# Allegro board LED_FIN.brd (continued)
## Placement (name value [footprint] x y rotation side) (continued)
D10226  0603_LED  [0603_SINGLE]  87.25 168 0 top
D10227  0603_LED  [0603_SINGLE]  89.25 168 0 top
D10228  0603_LED  [0603_SINGLE]  91.25 168 0 top
D10229  0603_LED  [0603_SINGLE]  93.25 168 0 top
D10230  0603_LED  [0603_SINGLE]  95.25 168 0 top
D10231  0603_LED  [0603_SINGLE]  37.25 166 0 top
D10232  0603_LED  [0603_SINGLE]  39.25 166 0 top
D10233  0603_LED  [0603_SINGLE]  41.25 166 0 top
D10234  0603_LED  [0603_SINGLE]  43.25 166 0 top
D10235  0603_LED  [0603_SINGLE]  45.25 166 0 top
D10236  0603_LED  [0603_SINGLE]  47.25 166 0 top
D10237  0603_LED  [0603_SINGLE]  49.25 166 0 top
D10238  0603_LED  [0603_SINGLE]  51.25 166 0 top
D10239  0603_LED  [0603_SINGLE]  53.25 166 0 top
D10240  0603_LED  [0603_SINGLE]  55.25 166 0 top
D10241  0603_LED  [0603_SINGLE]  57.25 166 0 top
D10242  0603_LED  [0603_SINGLE]  59.25 166 0 top
D10243  0603_LED  [0603_SINGLE]  61.25 166 0 top
D10244  0603_LED  [0603_SINGLE]  63.25 166 0 top
D10245  0603_LED  [0603_SINGLE]  65.25 166 0 top
D10246  0603_LED  [0603_SINGLE]  67.25 166 0 top
D10247  0603_LED  [0603_SINGLE]  69.25 166 0 top
D10248  0603_LED  [0603_SINGLE]  71.25 166 0 top
D10249  0603_LED  [0603_SINGLE]  73.25 166 0 top
D10250  0603_LED  [0603_SINGLE]  75.25 166 0 top
D10251  0603_LED  [0603_SINGLE]  77.25 166 0 top
D10252  0603_LED  [0603_SINGLE]  79.25 166 0 top
D10253  0603_LED  [0603_SINGLE]  81.25 166 0 top
D10254  0603_LED  [0603_SINGLE]  83.25 166 0 top
D10255  0603_LED  [0603_SINGLE]  85.25 166 0 top
D10256  0603_LED  [0603_SINGLE]  87.25 166 0 top
D10257  0603_LED  [0603_SINGLE]  89.25 166 0 top
D10258  0603_LED  [0603_SINGLE]  91.25 166 0 top
D10259  0603_LED  [0603_SINGLE]  93.25 166 0 top
D10260  0603_LED  [0603_SINGLE]  95.25 166 0 top
D10261  0603_LED  [0603_SINGLE]  97.25 240 0 top
D10262  0603_LED  [0603_SINGLE]  99.25 240 0 top
D10263  0603_LED  [0603_SINGLE]  101.25 240 0 top
D10264  0603_LED  [0603_SINGLE]  103.25 240 0 top
D10265  0603_LED  [0603_SINGLE]  105.25 240 0 top
D10266  0603_LED  [0603_SINGLE]  107.25 240 0 top
D10267  0603_LED  [0603_SINGLE]  109.25 240 0 top
D10268  0603_LED  [0603_SINGLE]  111.25 240 0 top
D10269  0603_LED  [0603_SINGLE]  113.25 240 0 top
D10270  0603_LED  [0603_SINGLE]  115.25 240 0 top
D10271  0603_LED  [0603_SINGLE]  117.25 240 0 top
D10272  0603_LED  [0603_SINGLE]  119.25 240 0 top
D10273  0603_LED  [0603_SINGLE]  121.25 240 0 top
D10274  0603_LED  [0603_SINGLE]  123.25 240 0 top
D10275  0603_LED  [0603_SINGLE]  125.25 240 0 top
D10276  0603_LED  [0603_SINGLE]  127.25 240 0 top
D10277  0603_LED  [0603_SINGLE]  129.25 240 0 top
D10278  0603_LED  [0603_SINGLE]  131.25 240 0 top
D10279  0603_LED  [0603_SINGLE]  133.25 240 0 top
D10280  0603_LED  [0603_SINGLE]  135.25 240 0 top
D10281  0603_LED  [0603_SINGLE]  137.25 240 0 top
D10282  0603_LED  [0603_SINGLE]  139.25 240 0 top
D10283  0603_LED  [0603_SINGLE]  141.25 240 0 top
D10284  0603_LED  [0603_SINGLE]  143.25 240 0 top
D10285  0603_LED  [0603_SINGLE]  145.25 240 0 top
D10286  0603_LED  [0603_SINGLE]  147.25 240 0 top
D10287  0603_LED  [0603_SINGLE]  149.25 240 0 top
D10288  0603_LED  [0603_SINGLE]  151.25 240 0 top
D10289  0603_LED  [0603_SINGLE]  153.25 240 0 top
D10290  0603_LED  [0603_SINGLE]  155.25 240 0 top
D10291  0603_LED  [0603_SINGLE]  97.25 238 0 top
D10292  0603_LED  [0603_SINGLE]  99.25 238 0 top
D10293  0603_LED  [0603_SINGLE]  101.25 238 0 top
D10294  0603_LED  [0603_SINGLE]  103.25 238 0 top
D10295  0603_LED  [0603_SINGLE]  105.25 238 0 top
D10296  0603_LED  [0603_SINGLE]  107.25 238 0 top
D10297  0603_LED  [0603_SINGLE]  109.25 238 0 top
D10298  0603_LED  [0603_SINGLE]  111.25 238 0 top
D10299  0603_LED  [0603_SINGLE]  113.25 238 0 top
D10300  0603_LED  [0603_SINGLE]  115.25 238 0 top
D10301  0603_LED  [0603_SINGLE]  117.25 238 0 top
D10302  0603_LED  [0603_SINGLE]  119.25 238 0 top
D10303  0603_LED  [0603_SINGLE]  121.25 238 0 top
D10304  0603_LED  [0603_SINGLE]  123.25 238 0 top
D10305  0603_LED  [0603_SINGLE]  125.25 238 0 top
D10306  0603_LED  [0603_SINGLE]  127.25 238 0 top
D10307  0603_LED  [0603_SINGLE]  129.25 238 0 top
D10308  0603_LED  [0603_SINGLE]  131.25 238 0 top
D10309  0603_LED  [0603_SINGLE]  133.25 238 0 top
D10310  0603_LED  [0603_SINGLE]  135.25 238 0 top
D10311  0603_LED  [0603_SINGLE]  137.25 238 0 top
D10312  0603_LED  [0603_SINGLE]  139.25 238 0 top
D10313  0603_LED  [0603_SINGLE]  141.25 238 0 top
D10314  0603_LED  [0603_SINGLE]  143.25 238 0 top
D10315  0603_LED  [0603_SINGLE]  145.25 238 0 top
D10316  0603_LED  [0603_SINGLE]  147.25 238 0 top
D10317  0603_LED  [0603_SINGLE]  149.25 238 0 top
D10318  0603_LED  [0603_SINGLE]  151.25 238 0 top
D10319  0603_LED  [0603_SINGLE]  153.25 238 0 top
D10320  0603_LED  [0603_SINGLE]  155.25 238 0 top
D10321  0603_LED  [0603_SINGLE]  97.25 236 0 top
D10322  0603_LED  [0603_SINGLE]  99.25 236 0 top
D10323  0603_LED  [0603_SINGLE]  101.25 236 0 top
D10324  0603_LED  [0603_SINGLE]  103.25 236 0 top
D10325  0603_LED  [0603_SINGLE]  105.25 236 0 top
D10326  0603_LED  [0603_SINGLE]  107.25 236 0 top
D10327  0603_LED  [0603_SINGLE]  109.25 236 0 top
D10328  0603_LED  [0603_SINGLE]  111.25 236 0 top
D10329  0603_LED  [0603_SINGLE]  113.25 236 0 top
D10330  0603_LED  [0603_SINGLE]  115.25 236 0 top
D10331  0603_LED  [0603_SINGLE]  117.25 236 0 top
D10332  0603_LED  [0603_SINGLE]  119.25 236 0 top
D10333  0603_LED  [0603_SINGLE]  121.25 236 0 top
D10334  0603_LED  [0603_SINGLE]  123.25 236 0 top
D10335  0603_LED  [0603_SINGLE]  125.25 236 0 top
D10336  0603_LED  [0603_SINGLE]  127.25 236 0 top
D10337  0603_LED  [0603_SINGLE]  129.25 236 0 top
D10338  0603_LED  [0603_SINGLE]  131.25 236 0 top
D10339  0603_LED  [0603_SINGLE]  133.25 236 0 top
D10340  0603_LED  [0603_SINGLE]  135.25 236 0 top
D10341  0603_LED  [0603_SINGLE]  137.25 236 0 top
D10342  0603_LED  [0603_SINGLE]  139.25 236 0 top
D10343  0603_LED  [0603_SINGLE]  141.25 236 0 top
D10344  0603_LED  [0603_SINGLE]  143.25 236 0 top
D10345  0603_LED  [0603_SINGLE]  145.25 236 0 top
D10346  0603_LED  [0603_SINGLE]  147.25 236 0 top
D10347  0603_LED  [0603_SINGLE]  149.25 236 0 top
D10348  0603_LED  [0603_SINGLE]  151.25 236 0 top
D10349  0603_LED  [0603_SINGLE]  153.25 236 0 top
D10350  0603_LED  [0603_SINGLE]  155.25 236 0 top
D10351  0603_LED  [0603_SINGLE]  97.25 234 0 top
D10352  0603_LED  [0603_SINGLE]  99.25 234 0 top
D10353  0603_LED  [0603_SINGLE]  101.25 234 0 top
D10354  0603_LED  [0603_SINGLE]  103.25 234 0 top
D10355  0603_LED  [0603_SINGLE]  105.25 234 0 top
D10356  0603_LED  [0603_SINGLE]  107.25 234 0 top
D10357  0603_LED  [0603_SINGLE]  109.25 234 0 top
D10358  0603_LED  [0603_SINGLE]  111.25 234 0 top
D10359  0603_LED  [0603_SINGLE]  113.25 234 0 top
D10360  0603_LED  [0603_SINGLE]  115.25 234 0 top
D10361  0603_LED  [0603_SINGLE]  117.25 234 0 top
D10362  0603_LED  [0603_SINGLE]  119.25 234 0 top
D10363  0603_LED  [0603_SINGLE]  121.25 234 0 top
D10364  0603_LED  [0603_SINGLE]  123.25 234 0 top
D10365  0603_LED  [0603_SINGLE]  125.25 234 0 top
D10366  0603_LED  [0603_SINGLE]  127.25 234 0 top
D10367  0603_LED  [0603_SINGLE]  129.25 234 0 top
D10368  0603_LED  [0603_SINGLE]  131.25 234 0 top
D10369  0603_LED  [0603_SINGLE]  133.25 234 0 top
D10370  0603_LED  [0603_SINGLE]  135.25 234 0 top
D10371  0603_LED  [0603_SINGLE]  137.25 234 0 top
D10372  0603_LED  [0603_SINGLE]  139.25 234 0 top
D10373  0603_LED  [0603_SINGLE]  141.25 234 0 top
D10374  0603_LED  [0603_SINGLE]  143.25 234 0 top
D10375  0603_LED  [0603_SINGLE]  145.25 234 0 top
D10376  0603_LED  [0603_SINGLE]  147.25 234 0 top
D10377  0603_LED  [0603_SINGLE]  149.25 234 0 top
D10378  0603_LED  [0603_SINGLE]  151.25 234 0 top
D10379  0603_LED  [0603_SINGLE]  153.25 234 0 top
D10380  0603_LED  [0603_SINGLE]  155.25 234 0 top
D10381  0603_LED  [0603_SINGLE]  97.25 232 0 top
D10382  0603_LED  [0603_SINGLE]  99.25 232 0 top
D10383  0603_LED  [0603_SINGLE]  101.25 232 0 top
D10384  0603_LED  [0603_SINGLE]  103.25 232 0 top
D10385  0603_LED  [0603_SINGLE]  105.25 232 0 top
D10386  0603_LED  [0603_SINGLE]  107.25 232 0 top
D10387  0603_LED  [0603_SINGLE]  109.25 232 0 top
D10388  0603_LED  [0603_SINGLE]  111.25 232 0 top
D10389  0603_LED  [0603_SINGLE]  113.25 232 0 top
D10390  0603_LED  [0603_SINGLE]  115.25 232 0 top
D10391  0603_LED  [0603_SINGLE]  117.25 232 0 top
D10392  0603_LED  [0603_SINGLE]  119.25 232 0 top
D10393  0603_LED  [0603_SINGLE]  121.25 232 0 top
D10394  0603_LED  [0603_SINGLE]  123.25 232 0 top
D10395  0603_LED  [0603_SINGLE]  125.25 232 0 top
D10396  0603_LED  [0603_SINGLE]  127.25 232 0 top
D10397  0603_LED  [0603_SINGLE]  129.25 232 0 top
D10398  0603_LED  [0603_SINGLE]  131.25 232 0 top
D10399  0603_LED  [0603_SINGLE]  133.25 232 0 top
D10400  0603_LED  [0603_SINGLE]  135.25 232 0 top
D10401  0603_LED  [0603_SINGLE]  137.25 232 0 top
D10402  0603_LED  [0603_SINGLE]  139.25 232 0 top
D10403  0603_LED  [0603_SINGLE]  141.25 232 0 top
D10404  0603_LED  [0603_SINGLE]  143.25 232 0 top
D10405  0603_LED  [0603_SINGLE]  145.25 232 0 top
D10406  0603_LED  [0603_SINGLE]  147.25 232 0 top
D10407  0603_LED  [0603_SINGLE]  149.25 232 0 top
D10408  0603_LED  [0603_SINGLE]  151.25 232 0 top
D10409  0603_LED  [0603_SINGLE]  153.25 232 0 top
D10410  0603_LED  [0603_SINGLE]  155.25 232 0 top
D10411  0603_LED  [0603_SINGLE]  97.25 230 0 top
D10412  0603_LED  [0603_SINGLE]  99.25 230 0 top
D10413  0603_LED  [0603_SINGLE]  101.25 230 0 top
D10414  0603_LED  [0603_SINGLE]  103.25 230 0 top
D10415  0603_LED  [0603_SINGLE]  105.25 230 0 top
D10416  0603_LED  [0603_SINGLE]  107.25 230 0 top
D10417  0603_LED  [0603_SINGLE]  109.25 230 0 top
D10418  0603_LED  [0603_SINGLE]  111.25 230 0 top
D10419  0603_LED  [0603_SINGLE]  113.25 230 0 top
D10420  0603_LED  [0603_SINGLE]  115.25 230 0 top
D10421  0603_LED  [0603_SINGLE]  117.25 230 0 top
D10422  0603_LED  [0603_SINGLE]  119.25 230 0 top
D10423  0603_LED  [0603_SINGLE]  121.25 230 0 top
D10424  0603_LED  [0603_SINGLE]  123.25 230 0 top
D10425  0603_LED  [0603_SINGLE]  125.25 230 0 top
D10426  0603_LED  [0603_SINGLE]  127.25 230 0 top
D10427  0603_LED  [0603_SINGLE]  129.25 230 0 top
D10428  0603_LED  [0603_SINGLE]  131.25 230 0 top
D10429  0603_LED  [0603_SINGLE]  133.25 230 0 top
D10430  0603_LED  [0603_SINGLE]  135.25 230 0 top
D10431  0603_LED  [0603_SINGLE]  137.25 230 0 top
D10432  0603_LED  [0603_SINGLE]  139.25 230 0 top
D10433  0603_LED  [0603_SINGLE]  141.25 230 0 top
D10434  0603_LED  [0603_SINGLE]  143.25 230 0 top
D10435  0603_LED  [0603_SINGLE]  145.25 230 0 top
D10436  0603_LED  [0603_SINGLE]  147.25 230 0 top
D10437  0603_LED  [0603_SINGLE]  149.25 230 0 top
D10438  0603_LED  [0603_SINGLE]  151.25 230 0 top
D10439  0603_LED  [0603_SINGLE]  153.25 230 0 top
D10440  0603_LED  [0603_SINGLE]  155.25 230 0 top
D10441  0603_LED  [0603_SINGLE]  97.25 228 0 top
D10442  0603_LED  [0603_SINGLE]  99.25 228 0 top
D10443  0603_LED  [0603_SINGLE]  101.25 228 0 top
D10444  0603_LED  [0603_SINGLE]  103.25 228 0 top
D10445  0603_LED  [0603_SINGLE]  105.25 228 0 top
D10446  0603_LED  [0603_SINGLE]  107.25 228 0 top
D10447  0603_LED  [0603_SINGLE]  109.25 228 0 top
D10448  0603_LED  [0603_SINGLE]  111.25 228 0 top
D10449  0603_LED  [0603_SINGLE]  113.25 228 0 top
D10450  0603_LED  [0603_SINGLE]  115.25 228 0 top
D10451  0603_LED  [0603_SINGLE]  117.25 228 0 top
D10452  0603_LED  [0603_SINGLE]  119.25 228 0 top
D10453  0603_LED  [0603_SINGLE]  121.25 228 0 top
D10454  0603_LED  [0603_SINGLE]  123.25 228 0 top
D10455  0603_LED  [0603_SINGLE]  125.25 228 0 top
D10456  0603_LED  [0603_SINGLE]  127.25 228 0 top
D10457  0603_LED  [0603_SINGLE]  129.25 228 0 top
D10458  0603_LED  [0603_SINGLE]  131.25 228 0 top
D10459  0603_LED  [0603_SINGLE]  133.25 228 0 top
D10460  0603_LED  [0603_SINGLE]  135.25 228 0 top
D10461  0603_LED  [0603_SINGLE]  137.25 228 0 top
D10462  0603_LED  [0603_SINGLE]  139.25 228 0 top
D10463  0603_LED  [0603_SINGLE]  141.25 228 0 top
D10464  0603_LED  [0603_SINGLE]  143.25 228 0 top
D10465  0603_LED  [0603_SINGLE]  145.25 228 0 top
D10466  0603_LED  [0603_SINGLE]  147.25 228 0 top
D10467  0603_LED  [0603_SINGLE]  149.25 228 0 top
D10468  0603_LED  [0603_SINGLE]  151.25 228 0 top
D10469  0603_LED  [0603_SINGLE]  153.25 228 0 top
D10470  0603_LED  [0603_SINGLE]  155.25 228 0 top
D10471  0603_LED  [0603_SINGLE]  97.25 226 0 top
D10472  0603_LED  [0603_SINGLE]  99.25 226 0 top
D10473  0603_LED  [0603_SINGLE]  101.25 226 0 top
D10474  0603_LED  [0603_SINGLE]  103.25 226 0 top
D10475  0603_LED  [0603_SINGLE]  105.25 226 0 top
D10476  0603_LED  [0603_SINGLE]  107.25 226 0 top
D10477  0603_LED  [0603_SINGLE]  109.25 226 0 top
D10478  0603_LED  [0603_SINGLE]  111.25 226 0 top
D10479  0603_LED  [0603_SINGLE]  113.25 226 0 top
D10480  0603_LED  [0603_SINGLE]  115.25 226 0 top
D10481  0603_LED  [0603_SINGLE]  117.25 226 0 top
D10482  0603_LED  [0603_SINGLE]  119.25 226 0 top
D10483  0603_LED  [0603_SINGLE]  121.25 226 0 top
D10484  0603_LED  [0603_SINGLE]  123.25 226 0 top
D10485  0603_LED  [0603_SINGLE]  125.25 226 0 top
D10486  0603_LED  [0603_SINGLE]  127.25 226 0 top
D10487  0603_LED  [0603_SINGLE]  129.25 226 0 top
D10488  0603_LED  [0603_SINGLE]  131.25 226 0 top
D10489  0603_LED  [0603_SINGLE]  133.25 226 0 top
D10490  0603_LED  [0603_SINGLE]  135.25 226 0 top
D10491  0603_LED  [0603_SINGLE]  137.25 226 0 top
D10492  0603_LED  [0603_SINGLE]  139.25 226 0 top
D10493  0603_LED  [0603_SINGLE]  141.25 226 0 top
D10494  0603_LED  [0603_SINGLE]  143.25 226 0 top
D10495  0603_LED  [0603_SINGLE]  145.25 226 0 top
D10496  0603_LED  [0603_SINGLE]  147.25 226 0 top
D10497  0603_LED  [0603_SINGLE]  149.25 226 0 top
D10498  0603_LED  [0603_SINGLE]  151.25 226 0 top
D10499  0603_LED  [0603_SINGLE]  153.25 226 0 top
D10500  0603_LED  [0603_SINGLE]  155.25 226 0 top
D10501  0603_LED  [0603_SINGLE]  97.25 224 0 top
D10502  0603_LED  [0603_SINGLE]  99.25 224 0 top
D10503  0603_LED  [0603_SINGLE]  101.25 224 0 top
D10504  0603_LED  [0603_SINGLE]  103.25 224 0 top
D10505  0603_LED  [0603_SINGLE]  105.25 224 0 top
D10506  0603_LED  [0603_SINGLE]  107.25 224 0 top
D10507  0603_LED  [0603_SINGLE]  109.25 224 0 top
D10508  0603_LED  [0603_SINGLE]  111.25 224 0 top
D10509  0603_LED  [0603_SINGLE]  113.25 224 0 top
D10510  0603_LED  [0603_SINGLE]  115.25 224 0 top
D10511  0603_LED  [0603_SINGLE]  117.25 224 0 top
D10512  0603_LED  [0603_SINGLE]  119.25 224 0 top
D10513  0603_LED  [0603_SINGLE]  121.25 224 0 top
D10514  0603_LED  [0603_SINGLE]  123.25 224 0 top
D10515  0603_LED  [0603_SINGLE]  125.25 224 0 top
D10516  0603_LED  [0603_SINGLE]  127.25 224 0 top
D10517  0603_LED  [0603_SINGLE]  129.25 224 0 top
D10518  0603_LED  [0603_SINGLE]  131.25 224 0 top
D10519  0603_LED  [0603_SINGLE]  133.25 224 0 top
D10520  0603_LED  [0603_SINGLE]  135.25 224 0 top
D10521  0603_LED  [0603_SINGLE]  137.25 224 0 top
D10522  0603_LED  [0603_SINGLE]  139.25 224 0 top
D10523  0603_LED  [0603_SINGLE]  141.25 224 0 top
D10524  0603_LED  [0603_SINGLE]  143.25 224 0 top
D10525  0603_LED  [0603_SINGLE]  145.25 224 0 top
D10526  0603_LED  [0603_SINGLE]  147.25 224 0 top
D10527  0603_LED  [0603_SINGLE]  149.25 224 0 top
D10528  0603_LED  [0603_SINGLE]  151.25 224 0 top
D10529  0603_LED  [0603_SINGLE]  153.25 224 0 top
D10530  0603_LED  [0603_SINGLE]  155.25 224 0 top
D10531  0603_LED  [0603_SINGLE]  97.25 222 0 top
D10532  0603_LED  [0603_SINGLE]  99.25 222 0 top
D10533  0603_LED  [0603_SINGLE]  101.25 222 0 top
D10534  0603_LED  [0603_SINGLE]  103.25 222 0 top
D10535  0603_LED  [0603_SINGLE]  105.25 222 0 top
D10536  0603_LED  [0603_SINGLE]  107.25 222 0 top
D10537  0603_LED  [0603_SINGLE]  109.25 222 0 top
D10538  0603_LED  [0603_SINGLE]  111.25 222 0 top
D10539  0603_LED  [0603_SINGLE]  113.25 222 0 top
D10540  0603_LED  [0603_SINGLE]  115.25 222 0 top
D10541  0603_LED  [0603_SINGLE]  117.25 222 0 top
D10542  0603_LED  [0603_SINGLE]  119.25 222 0 top
D10543  0603_LED  [0603_SINGLE]  121.25 222 0 top
D10544  0603_LED  [0603_SINGLE]  123.25 222 0 top
D10545  0603_LED  [0603_SINGLE]  125.25 222 0 top
D10546  0603_LED  [0603_SINGLE]  127.25 222 0 top
D10547  0603_LED  [0603_SINGLE]  129.25 222 0 top
D10548  0603_LED  [0603_SINGLE]  131.25 222 0 top
D10549  0603_LED  [0603_SINGLE]  133.25 222 0 top
D10550  0603_LED  [0603_SINGLE]  135.25 222 0 top
D10551  0603_LED  [0603_SINGLE]  137.25 222 0 top
D10552  0603_LED  [0603_SINGLE]  139.25 222 0 top
D10553  0603_LED  [0603_SINGLE]  141.25 222 0 top
D10554  0603_LED  [0603_SINGLE]  143.25 222 0 top
D10555  0603_LED  [0603_SINGLE]  145.25 222 0 top
D10556  0603_LED  [0603_SINGLE]  147.25 222 0 top
D10557  0603_LED  [0603_SINGLE]  149.25 222 0 top
D10558  0603_LED  [0603_SINGLE]  151.25 222 0 top
D10559  0603_LED  [0603_SINGLE]  153.25 222 0 top
D10560  0603_LED  [0603_SINGLE]  155.25 222 0 top
D10561  0603_LED  [0603_SINGLE]  97.25 220 0 top
D10562  0603_LED  [0603_SINGLE]  99.25 220 0 top
D10563  0603_LED  [0603_SINGLE]  101.25 220 0 top
D10564  0603_LED  [0603_SINGLE]  103.25 220 0 top
D10565  0603_LED  [0603_SINGLE]  105.25 220 0 top
D10566  0603_LED  [0603_SINGLE]  107.25 220 0 top
D10567  0603_LED  [0603_SINGLE]  109.25 220 0 top
D10568  0603_LED  [0603_SINGLE]  111.25 220 0 top
D10569  0603_LED  [0603_SINGLE]  113.25 220 0 top
D10570  0603_LED  [0603_SINGLE]  115.25 220 0 top
D10571  0603_LED  [0603_SINGLE]  117.25 220 0 top
D10572  0603_LED  [0603_SINGLE]  119.25 220 0 top
D10573  0603_LED  [0603_SINGLE]  121.25 220 0 top
D10574  0603_LED  [0603_SINGLE]  123.25 220 0 top
D10575  0603_LED  [0603_SINGLE]  125.25 220 0 top
D10576  0603_LED  [0603_SINGLE]  127.25 220 0 top
D10577  0603_LED  [0603_SINGLE]  129.25 220 0 top
D10578  0603_LED  [0603_SINGLE]  131.25 220 0 top
D10579  0603_LED  [0603_SINGLE]  133.25 220 0 top
D10580  0603_LED  [0603_SINGLE]  135.25 220 0 top
D10581  0603_LED  [0603_SINGLE]  137.25 220 0 top
D10582  0603_LED  [0603_SINGLE]  139.25 220 0 top
D10583  0603_LED  [0603_SINGLE]  141.25 220 0 top
D10584  0603_LED  [0603_SINGLE]  143.25 220 0 top
D10585  0603_LED  [0603_SINGLE]  145.25 220 0 top
D10586  0603_LED  [0603_SINGLE]  147.25 220 0 top
D10587  0603_LED  [0603_SINGLE]  149.25 220 0 top
D10588  0603_LED  [0603_SINGLE]  151.25 220 0 top
D10589  0603_LED  [0603_SINGLE]  153.25 220 0 top
D10590  0603_LED  [0603_SINGLE]  155.25 220 0 top
D10591  0603_LED  [0603_SINGLE]  97.25 218 0 top
D10592  0603_LED  [0603_SINGLE]  99.25 218 0 top
D10593  0603_LED  [0603_SINGLE]  101.25 218 0 top
D10594  0603_LED  [0603_SINGLE]  103.25 218 0 top
D10595  0603_LED  [0603_SINGLE]  105.25 218 0 top
D10596  0603_LED  [0603_SINGLE]  107.25 218 0 top
D10597  0603_LED  [0603_SINGLE]  109.25 218 0 top
D10598  0603_LED  [0603_SINGLE]  111.25 218 0 top
D10599  0603_LED  [0603_SINGLE]  113.25 218 0 top
D10600  0603_LED  [0603_SINGLE]  115.25 218 0 top
D10601  0603_LED  [0603_SINGLE]  117.25 218 0 top
D10602  0603_LED  [0603_SINGLE]  119.25 218 0 top
D10603  0603_LED  [0603_SINGLE]  121.25 218 0 top
D10604  0603_LED  [0603_SINGLE]  123.25 218 0 top
D10605  0603_LED  [0603_SINGLE]  125.25 218 0 top
D10606  0603_LED  [0603_SINGLE]  127.25 218 0 top
D10607  0603_LED  [0603_SINGLE]  129.25 218 0 top
D10608  0603_LED  [0603_SINGLE]  131.25 218 0 top
D10609  0603_LED  [0603_SINGLE]  133.25 218 0 top
D10610  0603_LED  [0603_SINGLE]  135.25 218 0 top
D10611  0603_LED  [0603_SINGLE]  137.25 218 0 top
D10612  0603_LED  [0603_SINGLE]  139.25 218 0 top
D10613  0603_LED  [0603_SINGLE]  141.25 218 0 top
D10614  0603_LED  [0603_SINGLE]  143.25 218 0 top
D10615  0603_LED  [0603_SINGLE]  145.25 218 0 top
D10616  0603_LED  [0603_SINGLE]  147.25 218 0 top
D10617  0603_LED  [0603_SINGLE]  149.25 218 0 top
D10618  0603_LED  [0603_SINGLE]  151.25 218 0 top
D10619  0603_LED  [0603_SINGLE]  153.25 218 0 top
D10620  0603_LED  [0603_SINGLE]  155.25 218 0 top
D10621  0603_LED  [0603_SINGLE]  97.25 216 0 top
D10622  0603_LED  [0603_SINGLE]  99.25 216 0 top
D10623  0603_LED  [0603_SINGLE]  101.25 216 0 top
D10624  0603_LED  [0603_SINGLE]  103.25 216 0 top
D10625  0603_LED  [0603_SINGLE]  105.25 216 0 top
D10626  0603_LED  [0603_SINGLE]  107.25 216 0 top
D10627  0603_LED  [0603_SINGLE]  109.25 216 0 top
D10628  0603_LED  [0603_SINGLE]  111.25 216 0 top
D10629  0603_LED  [0603_SINGLE]  113.25 216 0 top
D10630  0603_LED  [0603_SINGLE]  115.25 216 0 top
D10631  0603_LED  [0603_SINGLE]  117.25 216 0 top
D10632  0603_LED  [0603_SINGLE]  119.25 216 0 top
D10633  0603_LED  [0603_SINGLE]  121.25 216 0 top
D10634  0603_LED  [0603_SINGLE]  123.25 216 0 top
D10635  0603_LED  [0603_SINGLE]  125.25 216 0 top
D10636  0603_LED  [0603_SINGLE]  127.25 216 0 top
D10637  0603_LED  [0603_SINGLE]  129.25 216 0 top
D10638  0603_LED  [0603_SINGLE]  131.25 216 0 top
D10639  0603_LED  [0603_SINGLE]  133.25 216 0 top
D10640  0603_LED  [0603_SINGLE]  135.25 216 0 top
D10641  0603_LED  [0603_SINGLE]  137.25 216 0 top
D10642  0603_LED  [0603_SINGLE]  139.25 216 0 top
D10643  0603_LED  [0603_SINGLE]  141.25 216 0 top
D10644  0603_LED  [0603_SINGLE]  143.25 216 0 top
D10645  0603_LED  [0603_SINGLE]  145.25 216 0 top
D10646  0603_LED  [0603_SINGLE]  147.25 216 0 top
D10647  0603_LED  [0603_SINGLE]  149.25 216 0 top
D10648  0603_LED  [0603_SINGLE]  151.25 216 0 top
D10649  0603_LED  [0603_SINGLE]  153.25 216 0 top
D10650  0603_LED  [0603_SINGLE]  155.25 216 0 top
D10651  0603_LED  [0603_SINGLE]  97.25 214 0 top
D10652  0603_LED  [0603_SINGLE]  99.25 214 0 top
D10653  0603_LED  [0603_SINGLE]  101.25 214 0 top
D10654  0603_LED  [0603_SINGLE]  103.25 214 0 top
D10655  0603_LED  [0603_SINGLE]  105.25 214 0 top
D10656  0603_LED  [0603_SINGLE]  107.25 214 0 top
D10657  0603_LED  [0603_SINGLE]  109.25 214 0 top
D10658  0603_LED  [0603_SINGLE]  111.25 214 0 top
D10659  0603_LED  [0603_SINGLE]  113.25 214 0 top
D10660  0603_LED  [0603_SINGLE]  115.25 214 0 top
D10661  0603_LED  [0603_SINGLE]  117.25 214 0 top
D10662  0603_LED  [0603_SINGLE]  119.25 214 0 top
D10663  0603_LED  [0603_SINGLE]  121.25 214 0 top
D10664  0603_LED  [0603_SINGLE]  123.25 214 0 top
D10665  0603_LED  [0603_SINGLE]  125.25 214 0 top
D10666  0603_LED  [0603_SINGLE]  127.25 214 0 top
D10667  0603_LED  [0603_SINGLE]  129.25 214 0 top
D10668  0603_LED  [0603_SINGLE]  131.25 214 0 top
D10669  0603_LED  [0603_SINGLE]  133.25 214 0 top
D10670  0603_LED  [0603_SINGLE]  135.25 214 0 top
D10671  0603_LED  [0603_SINGLE]  137.25 214 0 top
D10672  0603_LED  [0603_SINGLE]  139.25 214 0 top
D10673  0603_LED  [0603_SINGLE]  141.25 214 0 top
D10674  0603_LED  [0603_SINGLE]  143.25 214 0 top
D10675  0603_LED  [0603_SINGLE]  145.25 214 0 top
D10676  0603_LED  [0603_SINGLE]  147.25 214 0 top
D10677  0603_LED  [0603_SINGLE]  149.25 214 0 top
D10678  0603_LED  [0603_SINGLE]  151.25 214 0 top
D10679  0603_LED  [0603_SINGLE]  153.25 214 0 top
D10680  0603_LED  [0603_SINGLE]  155.25 214 0 top
D10681  0603_LED  [0603_SINGLE]  97.25 212 0 top
D10682  0603_LED  [0603_SINGLE]  99.25 212 0 top
D10683  0603_LED  [0603_SINGLE]  101.25 212 0 top
D10684  0603_LED  [0603_SINGLE]  103.25 212 0 top
D10685  0603_LED  [0603_SINGLE]  105.25 212 0 top
D10686  0603_LED  [0603_SINGLE]  107.25 212 0 top
D10687  0603_LED  [0603_SINGLE]  109.25 212 0 top
D10688  0603_LED  [0603_SINGLE]  111.25 212 0 top
D10689  0603_LED  [0603_SINGLE]  113.25 212 0 top
D10690  0603_LED  [0603_SINGLE]  115.25 212 0 top
D10691  0603_LED  [0603_SINGLE]  117.25 212 0 top
D10692  0603_LED  [0603_SINGLE]  119.25 212 0 top
D10693  0603_LED  [0603_SINGLE]  121.25 212 0 top
D10694  0603_LED  [0603_SINGLE]  123.25 212 0 top
D10695  0603_LED  [0603_SINGLE]  125.25 212 0 top
D10696  0603_LED  [0603_SINGLE]  127.25 212 0 top
D10697  0603_LED  [0603_SINGLE]  129.25 212 0 top
D10698  0603_LED  [0603_SINGLE]  131.25 212 0 top
D10699  0603_LED  [0603_SINGLE]  133.25 212 0 top
D10700  0603_LED  [0603_SINGLE]  135.25 212 0 top
D10701  0603_LED  [0603_SINGLE]  137.25 212 0 top
D10702  0603_LED  [0603_SINGLE]  139.25 212 0 top
D10703  0603_LED  [0603_SINGLE]  141.25 212 0 top
D10704  0603_LED  [0603_SINGLE]  143.25 212 0 top
D10705  0603_LED  [0603_SINGLE]  145.25 212 0 top
D10706  0603_LED  [0603_SINGLE]  147.25 212 0 top
D10707  0603_LED  [0603_SINGLE]  149.25 212 0 top
D10708  0603_LED  [0603_SINGLE]  151.25 212 0 top
D10709  0603_LED  [0603_SINGLE]  153.25 212 0 top
D10710  0603_LED  [0603_SINGLE]  155.25 212 0 top
D10711  0603_LED  [0603_SINGLE]  97.25 210 0 top
D10712  0603_LED  [0603_SINGLE]  99.25 210 0 top
D10713  0603_LED  [0603_SINGLE]  101.25 210 0 top
D10714  0603_LED  [0603_SINGLE]  103.25 210 0 top
D10715  0603_LED  [0603_SINGLE]  105.25 210 0 top
D10716  0603_LED  [0603_SINGLE]  107.25 210 0 top
D10717  0603_LED  [0603_SINGLE]  109.25 210 0 top
D10718  0603_LED  [0603_SINGLE]  111.25 210 0 top
D10719  0603_LED  [0603_SINGLE]  113.25 210 0 top
D10720  0603_LED  [0603_SINGLE]  115.25 210 0 top
D10721  0603_LED  [0603_SINGLE]  117.25 210 0 top
D10722  0603_LED  [0603_SINGLE]  119.25 210 0 top
D10723  0603_LED  [0603_SINGLE]  121.25 210 0 top
D10724  0603_LED  [0603_SINGLE]  123.25 210 0 top
D10725  0603_LED  [0603_SINGLE]  125.25 210 0 top
D10726  0603_LED  [0603_SINGLE]  127.25 210 0 top
D10727  0603_LED  [0603_SINGLE]  129.25 210 0 top
D10728  0603_LED  [0603_SINGLE]  131.25 210 0 top
D10729  0603_LED  [0603_SINGLE]  133.25 210 0 top
D10730  0603_LED  [0603_SINGLE]  135.25 210 0 top
D10731  0603_LED  [0603_SINGLE]  137.25 210 0 top
D10732  0603_LED  [0603_SINGLE]  139.25 210 0 top
D10733  0603_LED  [0603_SINGLE]  141.25 210 0 top
D10734  0603_LED  [0603_SINGLE]  143.25 210 0 top
D10735  0603_LED  [0603_SINGLE]  145.25 210 0 top
D10736  0603_LED  [0603_SINGLE]  147.25 210 0 top
D10737  0603_LED  [0603_SINGLE]  149.25 210 0 top
D10738  0603_LED  [0603_SINGLE]  151.25 210 0 top
D10739  0603_LED  [0603_SINGLE]  153.25 210 0 top
D10740  0603_LED  [0603_SINGLE]  155.25 210 0 top
D10741  0603_LED  [0603_SINGLE]  97.25 208 0 top
D10742  0603_LED  [0603_SINGLE]  99.25 208 0 top
D10743  0603_LED  [0603_SINGLE]  101.25 208 0 top
D10744  0603_LED  [0603_SINGLE]  103.25 208 0 top
D10745  0603_LED  [0603_SINGLE]  105.25 208 0 top
D10746  0603_LED  [0603_SINGLE]  107.25 208 0 top
D10747  0603_LED  [0603_SINGLE]  109.25 208 0 top
D10748  0603_LED  [0603_SINGLE]  111.25 208 0 top
D10749  0603_LED  [0603_SINGLE]  113.25 208 0 top
D10750  0603_LED  [0603_SINGLE]  115.25 208 0 top
D10751  0603_LED  [0603_SINGLE]  117.25 208 0 top
D10752  0603_LED  [0603_SINGLE]  119.25 208 0 top
D10753  0603_LED  [0603_SINGLE]  121.25 208 0 top
D10754  0603_LED  [0603_SINGLE]  123.25 208 0 top
D10755  0603_LED  [0603_SINGLE]  125.25 208 0 top
D10756  0603_LED  [0603_SINGLE]  127.25 208 0 top
D10757  0603_LED  [0603_SINGLE]  129.25 208 0 top
D10758  0603_LED  [0603_SINGLE]  131.25 208 0 top
D10759  0603_LED  [0603_SINGLE]  133.25 208 0 top
D10760  0603_LED  [0603_SINGLE]  135.25 208 0 top
D10761  0603_LED  [0603_SINGLE]  137.25 208 0 top
D10762  0603_LED  [0603_SINGLE]  139.25 208 0 top
D10763  0603_LED  [0603_SINGLE]  141.25 208 0 top
D10764  0603_LED  [0603_SINGLE]  143.25 208 0 top
D10765  0603_LED  [0603_SINGLE]  145.25 208 0 top
D10766  0603_LED  [0603_SINGLE]  147.25 208 0 top
D10767  0603_LED  [0603_SINGLE]  149.25 208 0 top
D10768  0603_LED  [0603_SINGLE]  151.25 208 0 top
D10769  0603_LED  [0603_SINGLE]  153.25 208 0 top
D10770  0603_LED  [0603_SINGLE]  155.25 208 0 top
D10771  0603_LED  [0603_SINGLE]  97.25 206 0 top
D10772  0603_LED  [0603_SINGLE]  99.25 206 0 top
D10773  0603_LED  [0603_SINGLE]  101.25 206 0 top
D10774  0603_LED  [0603_SINGLE]  103.25 206 0 top
D10775  0603_LED  [0603_SINGLE]  105.25 206 0 top
D10776  0603_LED  [0603_SINGLE]  107.25 206 0 top
D10777  0603_LED  [0603_SINGLE]  109.25 206 0 top
D10778  0603_LED  [0603_SINGLE]  111.25 206 0 top
D10779  0603_LED  [0603_SINGLE]  113.25 206 0 top
D10780  0603_LED  [0603_SINGLE]  115.25 206 0 top
D10781  0603_LED  [0603_SINGLE]  117.25 206 0 top
D10782  0603_LED  [0603_SINGLE]  119.25 206 0 top
D10783  0603_LED  [0603_SINGLE]  121.25 206 0 top
D10784  0603_LED  [0603_SINGLE]  123.25 206 0 top
D10785  0603_LED  [0603_SINGLE]  125.25 206 0 top
D10786  0603_LED  [0603_SINGLE]  127.25 206 0 top
D10787  0603_LED  [0603_SINGLE]  129.25 206 0 top
D10788  0603_LED  [0603_SINGLE]  131.25 206 0 top
D10789  0603_LED  [0603_SINGLE]  133.25 206 0 top
D10790  0603_LED  [0603_SINGLE]  135.25 206 0 top
D10791  0603_LED  [0603_SINGLE]  137.25 206 0 top
D10792  0603_LED  [0603_SINGLE]  139.25 206 0 top
D10793  0603_LED  [0603_SINGLE]  141.25 206 0 top
D10794  0603_LED  [0603_SINGLE]  143.25 206 0 top
D10795  0603_LED  [0603_SINGLE]  145.25 206 0 top
D10796  0603_LED  [0603_SINGLE]  147.25 206 0 top
D10797  0603_LED  [0603_SINGLE]  149.25 206 0 top
D10798  0603_LED  [0603_SINGLE]  151.25 206 0 top
D10799  0603_LED  [0603_SINGLE]  153.25 206 0 top
D10800  0603_LED  [0603_SINGLE]  155.25 206 0 top
D10801  0603_LED  [0603_SINGLE]  97.25 204 0 top
D10802  0603_LED  [0603_SINGLE]  99.25 204 0 top
D10803  0603_LED  [0603_SINGLE]  101.25 204 0 top
D10804  0603_LED  [0603_SINGLE]  103.25 204 0 top
D10805  0603_LED  [0603_SINGLE]  105.25 204 0 top
D10806  0603_LED  [0603_SINGLE]  107.25 204 0 top
D10807  0603_LED  [0603_SINGLE]  109.25 204 0 top
D10808  0603_LED  [0603_SINGLE]  111.25 204 0 top
D10809  0603_LED  [0603_SINGLE]  113.25 204 0 top
D10810  0603_LED  [0603_SINGLE]  115.25 204 0 top
D10811  0603_LED  [0603_SINGLE]  117.25 204 0 top
D10812  0603_LED  [0603_SINGLE]  119.25 204 0 top
D10813  0603_LED  [0603_SINGLE]  121.25 204 0 top
D10814  0603_LED  [0603_SINGLE]  123.25 204 0 top
D10815  0603_LED  [0603_SINGLE]  125.25 204 0 top
D10816  0603_LED  [0603_SINGLE]  127.25 204 0 top
D10817  0603_LED  [0603_SINGLE]  129.25 204 0 top
D10818  0603_LED  [0603_SINGLE]  131.25 204 0 top
D10819  0603_LED  [0603_SINGLE]  133.25 204 0 top
D10820  0603_LED  [0603_SINGLE]  135.25 204 0 top
D10821  0603_LED  [0603_SINGLE]  137.25 204 0 top
D10822  0603_LED  [0603_SINGLE]  139.25 204 0 top
D10823  0603_LED  [0603_SINGLE]  141.25 204 0 top
D10824  0603_LED  [0603_SINGLE]  143.25 204 0 top
D10825  0603_LED  [0603_SINGLE]  145.25 204 0 top
D10826  0603_LED  [0603_SINGLE]  147.25 204 0 top
D10827  0603_LED  [0603_SINGLE]  149.25 204 0 top
D10828  0603_LED  [0603_SINGLE]  151.25 204 0 top
D10829  0603_LED  [0603_SINGLE]  153.25 204 0 top
D10830  0603_LED  [0603_SINGLE]  155.25 204 0 top
D10831  0603_LED  [0603_SINGLE]  97.25 202 0 top
D10832  0603_LED  [0603_SINGLE]  99.25 202 0 top
D10833  0603_LED  [0603_SINGLE]  101.25 202 0 top
D10834  0603_LED  [0603_SINGLE]  103.25 202 0 top
D10835  0603_LED  [0603_SINGLE]  105.25 202 0 top
D10836  0603_LED  [0603_SINGLE]  107.25 202 0 top
D10837  0603_LED  [0603_SINGLE]  109.25 202 0 top
D10838  0603_LED  [0603_SINGLE]  111.25 202 0 top
D10839  0603_LED  [0603_SINGLE]  113.25 202 0 top
D10840  0603_LED  [0603_SINGLE]  115.25 202 0 top
D10841  0603_LED  [0603_SINGLE]  117.25 202 0 top
D10842  0603_LED  [0603_SINGLE]  119.25 202 0 top
D10843  0603_LED  [0603_SINGLE]  121.25 202 0 top
D10844  0603_LED  [0603_SINGLE]  123.25 202 0 top
D10845  0603_LED  [0603_SINGLE]  125.25 202 0 top
D10846  0603_LED  [0603_SINGLE]  127.25 202 0 top
D10847  0603_LED  [0603_SINGLE]  129.25 202 0 top
D10848  0603_LED  [0603_SINGLE]  131.25 202 0 top
D10849  0603_LED  [0603_SINGLE]  133.25 202 0 top
D10850  0603_LED  [0603_SINGLE]  135.25 202 0 top
D10851  0603_LED  [0603_SINGLE]  137.25 202 0 top
D10852  0603_LED  [0603_SINGLE]  139.25 202 0 top
D10853  0603_LED  [0603_SINGLE]  141.25 202 0 top
D10854  0603_LED  [0603_SINGLE]  143.25 202 0 top
D10855  0603_LED  [0603_SINGLE]  145.25 202 0 top
D10856  0603_LED  [0603_SINGLE]  147.25 202 0 top
D10857  0603_LED  [0603_SINGLE]  149.25 202 0 top
D10858  0603_LED  [0603_SINGLE]  151.25 202 0 top
D10859  0603_LED  [0603_SINGLE]  153.25 202 0 top
D10860  0603_LED  [0603_SINGLE]  155.25 202 0 top
D10861  0603_LED  [0603_SINGLE]  97.25 200 0 top
D10862  0603_LED  [0603_SINGLE]  99.25 200 0 top
D10863  0603_LED  [0603_SINGLE]  101.25 200 0 top
D10864  0603_LED  [0603_SINGLE]  103.25 200 0 top
D10865  0603_LED  [0603_SINGLE]  105.25 200 0 top
D10866  0603_LED  [0603_SINGLE]  107.25 200 0 top
D10867  0603_LED  [0603_SINGLE]  109.25 200 0 top
D10868  0603_LED  [0603_SINGLE]  111.25 200 0 top
D10869  0603_LED  [0603_SINGLE]  113.25 200 0 top
D10870  0603_LED  [0603_SINGLE]  115.25 200 0 top
D10871  0603_LED  [0603_SINGLE]  117.25 200 0 top
D10872  0603_LED  [0603_SINGLE]  119.25 200 0 top
D10873  0603_LED  [0603_SINGLE]  121.25 200 0 top
D10874  0603_LED  [0603_SINGLE]  123.25 200 0 top
D10875  0603_LED  [0603_SINGLE]  125.25 200 0 top
D10876  0603_LED  [0603_SINGLE]  127.25 200 0 top
D10877  0603_LED  [0603_SINGLE]  129.25 200 0 top
D10878  0603_LED  [0603_SINGLE]  131.25 200 0 top
D10879  0603_LED  [0603_SINGLE]  133.25 200 0 top
D10880  0603_LED  [0603_SINGLE]  135.25 200 0 top
D10881  0603_LED  [0603_SINGLE]  137.25 200 0 top
D10882  0603_LED  [0603_SINGLE]  139.25 200 0 top
D10883  0603_LED  [0603_SINGLE]  141.25 200 0 top
D10884  0603_LED  [0603_SINGLE]  143.25 200 0 top
D10885  0603_LED  [0603_SINGLE]  145.25 200 0 top
D10886  0603_LED  [0603_SINGLE]  147.25 200 0 top
D10887  0603_LED  [0603_SINGLE]  149.25 200 0 top
D10888  0603_LED  [0603_SINGLE]  151.25 200 0 top
D10889  0603_LED  [0603_SINGLE]  153.25 200 0 top
D10890  0603_LED  [0603_SINGLE]  155.25 200 0 top
D10891  0603_LED  [0603_SINGLE]  97.25 198 0 top
D10892  0603_LED  [0603_SINGLE]  99.25 198 0 top
D10893  0603_LED  [0603_SINGLE]  101.25 198 0 top
D10894  0603_LED  [0603_SINGLE]  103.25 198 0 top
D10895  0603_LED  [0603_SINGLE]  105.25 198 0 top
D10896  0603_LED  [0603_SINGLE]  107.25 198 0 top
D10897  0603_LED  [0603_SINGLE]  109.25 198 0 top
D10898  0603_LED  [0603_SINGLE]  111.25 198 0 top
D10899  0603_LED  [0603_SINGLE]  113.25 198 0 top
D10900  0603_LED  [0603_SINGLE]  115.25 198 0 top
D10901  0603_LED  [0603_SINGLE]  117.25 198 0 top
D10902  0603_LED  [0603_SINGLE]  119.25 198 0 top
D10903  0603_LED  [0603_SINGLE]  121.25 198 0 top
D10904  0603_LED  [0603_SINGLE]  123.25 198 0 top
D10905  0603_LED  [0603_SINGLE]  125.25 198 0 top
D10906  0603_LED  [0603_SINGLE]  127.25 198 0 top
D10907  0603_LED  [0603_SINGLE]  129.25 198 0 top
D10908  0603_LED  [0603_SINGLE]  131.25 198 0 top
D10909  0603_LED  [0603_SINGLE]  133.25 198 0 top
D10910  0603_LED  [0603_SINGLE]  135.25 198 0 top
D10911  0603_LED  [0603_SINGLE]  137.25 198 0 top
D10912  0603_LED  [0603_SINGLE]  139.25 198 0 top
D10913  0603_LED  [0603_SINGLE]  141.25 198 0 top
D10914  0603_LED  [0603_SINGLE]  143.25 198 0 top
D10915  0603_LED  [0603_SINGLE]  145.25 198 0 top
D10916  0603_LED  [0603_SINGLE]  147.25 198 0 top
D10917  0603_LED  [0603_SINGLE]  149.25 198 0 top
D10918  0603_LED  [0603_SINGLE]  151.25 198 0 top
D10919  0603_LED  [0603_SINGLE]  153.25 198 0 top
D10920  0603_LED  [0603_SINGLE]  155.25 198 0 top
D10921  0603_LED  [0603_SINGLE]  97.25 196 0 top
D10922  0603_LED  [0603_SINGLE]  99.25 196 0 top
D10923  0603_LED  [0603_SINGLE]  101.25 196 0 top
D10924  0603_LED  [0603_SINGLE]  103.25 196 0 top
D10925  0603_LED  [0603_SINGLE]  105.25 196 0 top
D10926  0603_LED  [0603_SINGLE]  107.25 196 0 top
D10927  0603_LED  [0603_SINGLE]  109.25 196 0 top
D10928  0603_LED  [0603_SINGLE]  111.25 196 0 top
D10929  0603_LED  [0603_SINGLE]  113.25 196 0 top
D10930  0603_LED  [0603_SINGLE]  115.25 196 0 top
D10931  0603_LED  [0603_SINGLE]  117.25 196 0 top
D10932  0603_LED  [0603_SINGLE]  119.25 196 0 top
D10933  0603_LED  [0603_SINGLE]  121.25 196 0 top
D10934  0603_LED  [0603_SINGLE]  123.25 196 0 top
D10935  0603_LED  [0603_SINGLE]  125.25 196 0 top
D10936  0603_LED  [0603_SINGLE]  127.25 196 0 top
D10937  0603_LED  [0603_SINGLE]  129.25 196 0 top
D10938  0603_LED  [0603_SINGLE]  131.25 196 0 top
D10939  0603_LED  [0603_SINGLE]  133.25 196 0 top
D10940  0603_LED  [0603_SINGLE]  135.25 196 0 top
D10941  0603_LED  [0603_SINGLE]  137.25 196 0 top
D10942  0603_LED  [0603_SINGLE]  139.25 196 0 top
D10943  0603_LED  [0603_SINGLE]  141.25 196 0 top
D10944  0603_LED  [0603_SINGLE]  143.25 196 0 top
D10945  0603_LED  [0603_SINGLE]  145.25 196 0 top
D10946  0603_LED  [0603_SINGLE]  147.25 196 0 top
D10947  0603_LED  [0603_SINGLE]  149.25 196 0 top
D10948  0603_LED  [0603_SINGLE]  151.25 196 0 top
D10949  0603_LED  [0603_SINGLE]  153.25 196 0 top
D10950  0603_LED  [0603_SINGLE]  155.25 196 0 top
D10951  0603_LED  [0603_SINGLE]  97.25 194 0 top
D10952  0603_LED  [0603_SINGLE]  99.25 194 0 top
D10953  0603_LED  [0603_SINGLE]  101.25 194 0 top
D10954  0603_LED  [0603_SINGLE]  103.25 194 0 top
D10955  0603_LED  [0603_SINGLE]  105.25 194 0 top
D10956  0603_LED  [0603_SINGLE]  107.25 194 0 top
D10957  0603_LED  [0603_SINGLE]  109.25 194 0 top
D10958  0603_LED  [0603_SINGLE]  111.25 194 0 top
D10959  0603_LED  [0603_SINGLE]  113.25 194 0 top
D10960  0603_LED  [0603_SINGLE]  115.25 194 0 top
D10961  0603_LED  [0603_SINGLE]  117.25 194 0 top
D10962  0603_LED  [0603_SINGLE]  119.25 194 0 top
D10963  0603_LED  [0603_SINGLE]  121.25 194 0 top
D10964  0603_LED  [0603_SINGLE]  123.25 194 0 top
D10965  0603_LED  [0603_SINGLE]  125.25 194 0 top
D10966  0603_LED  [0603_SINGLE]  127.25 194 0 top
D10967  0603_LED  [0603_SINGLE]  129.25 194 0 top
D10968  0603_LED  [0603_SINGLE]  131.25 194 0 top
D10969  0603_LED  [0603_SINGLE]  133.25 194 0 top
D10970  0603_LED  [0603_SINGLE]  135.25 194 0 top
D10971  0603_LED  [0603_SINGLE]  137.25 194 0 top
D10972  0603_LED  [0603_SINGLE]  139.25 194 0 top
D10973  0603_LED  [0603_SINGLE]  141.25 194 0 top
D10974  0603_LED  [0603_SINGLE]  143.25 194 0 top
D10975  0603_LED  [0603_SINGLE]  145.25 194 0 top
D10976  0603_LED  [0603_SINGLE]  147.25 194 0 top
D10977  0603_LED  [0603_SINGLE]  149.25 194 0 top
D10978  0603_LED  [0603_SINGLE]  151.25 194 0 top
D10979  0603_LED  [0603_SINGLE]  153.25 194 0 top
D10980  0603_LED  [0603_SINGLE]  155.25 194 0 top
D10981  0603_LED  [0603_SINGLE]  97.25 192 0 top
D10982  0603_LED  [0603_SINGLE]  99.25 192 0 top
D10983  0603_LED  [0603_SINGLE]  101.25 192 0 top
D10984  0603_LED  [0603_SINGLE]  103.25 192 0 top
D10985  0603_LED  [0603_SINGLE]  105.25 192 0 top
D10986  0603_LED  [0603_SINGLE]  107.25 192 0 top
D10987  0603_LED  [0603_SINGLE]  109.25 192 0 top
D10988  0603_LED  [0603_SINGLE]  111.25 192 0 top
D10989  0603_LED  [0603_SINGLE]  113.25 192 0 top
D10990  0603_LED  [0603_SINGLE]  115.25 192 0 top
D10991  0603_LED  [0603_SINGLE]  117.25 192 0 top
D10992  0603_LED  [0603_SINGLE]  119.25 192 0 top
D10993  0603_LED  [0603_SINGLE]  121.25 192 0 top
D10994  0603_LED  [0603_SINGLE]  123.25 192 0 top
D10995  0603_LED  [0603_SINGLE]  125.25 192 0 top
D10996  0603_LED  [0603_SINGLE]  127.25 192 0 top
D10997  0603_LED  [0603_SINGLE]  129.25 192 0 top
D10998  0603_LED  [0603_SINGLE]  131.25 192 0 top
D10999  0603_LED  [0603_SINGLE]  133.25 192 0 top
D11000  0603_LED  [0603_SINGLE]  135.25 192 0 top
D11001  0603_LED  [0603_SINGLE]  137.25 192 0 top
D11002  0603_LED  [0603_SINGLE]  139.25 192 0 top
D11003  0603_LED  [0603_SINGLE]  141.25 192 0 top
D11004  0603_LED  [0603_SINGLE]  143.25 192 0 top
D11005  0603_LED  [0603_SINGLE]  145.25 192 0 top
D11006  0603_LED  [0603_SINGLE]  147.25 192 0 top
D11007  0603_LED  [0603_SINGLE]  149.25 192 0 top
D11008  0603_LED  [0603_SINGLE]  151.25 192 0 top
D11009  0603_LED  [0603_SINGLE]  153.25 192 0 top
D11010  0603_LED  [0603_SINGLE]  155.25 192 0 top
D11011  0603_LED  [0603_SINGLE]  97.25 190 0 top
D11012  0603_LED  [0603_SINGLE]  99.25 190 0 top
D11013  0603_LED  [0603_SINGLE]  101.25 190 0 top
D11014  0603_LED  [0603_SINGLE]  103.25 190 0 top
D11015  0603_LED  [0603_SINGLE]  105.25 190 0 top
D11016  0603_LED  [0603_SINGLE]  107.25 190 0 top
D11017  0603_LED  [0603_SINGLE]  109.25 190 0 top
D11018  0603_LED  [0603_SINGLE]  111.25 190 0 top
D11019  0603_LED  [0603_SINGLE]  113.25 190 0 top
D11020  0603_LED  [0603_SINGLE]  115.25 190 0 top
D11021  0603_LED  [0603_SINGLE]  117.25 190 0 top
D11022  0603_LED  [0603_SINGLE]  119.25 190 0 top
D11023  0603_LED  [0603_SINGLE]  121.25 190 0 top
D11024  0603_LED  [0603_SINGLE]  123.25 190 0 top
D11025  0603_LED  [0603_SINGLE]  125.25 190 0 top
D11026  0603_LED  [0603_SINGLE]  127.25 190 0 top
D11027  0603_LED  [0603_SINGLE]  129.25 190 0 top
D11028  0603_LED  [0603_SINGLE]  131.25 190 0 top
D11029  0603_LED  [0603_SINGLE]  133.25 190 0 top
D11030  0603_LED  [0603_SINGLE]  135.25 190 0 top
D11031  0603_LED  [0603_SINGLE]  137.25 190 0 top
D11032  0603_LED  [0603_SINGLE]  139.25 190 0 top
D11033  0603_LED  [0603_SINGLE]  141.25 190 0 top
D11034  0603_LED  [0603_SINGLE]  143.25 190 0 top
D11035  0603_LED  [0603_SINGLE]  145.25 190 0 top
D11036  0603_LED  [0603_SINGLE]  147.25 190 0 top
D11037  0603_LED  [0603_SINGLE]  149.25 190 0 top
D11038  0603_LED  [0603_SINGLE]  151.25 190 0 top
D11039  0603_LED  [0603_SINGLE]  153.25 190 0 top
D11040  0603_LED  [0603_SINGLE]  155.25 190 0 top
D11041  0603_LED  [0603_SINGLE]  97.25 188 0 top
D11042  0603_LED  [0603_SINGLE]  99.25 188 0 top
D11043  0603_LED  [0603_SINGLE]  101.25 188 0 top
D11044  0603_LED  [0603_SINGLE]  103.25 188 0 top
D11045  0603_LED  [0603_SINGLE]  105.25 188 0 top
D11046  0603_LED  [0603_SINGLE]  107.25 188 0 top
D11047  0603_LED  [0603_SINGLE]  109.25 188 0 top
D11048  0603_LED  [0603_SINGLE]  111.25 188 0 top
D11049  0603_LED  [0603_SINGLE]  113.25 188 0 top
D11050  0603_LED  [0603_SINGLE]  115.25 188 0 top
D11051  0603_LED  [0603_SINGLE]  117.25 188 0 top
D11052  0603_LED  [0603_SINGLE]  119.25 188 0 top
D11053  0603_LED  [0603_SINGLE]  121.25 188 0 top
D11054  0603_LED  [0603_SINGLE]  123.25 188 0 top
D11055  0603_LED  [0603_SINGLE]  125.25 188 0 top
D11056  0603_LED  [0603_SINGLE]  127.25 188 0 top
D11057  0603_LED  [0603_SINGLE]  129.25 188 0 top
D11058  0603_LED  [0603_SINGLE]  131.25 188 0 top
D11059  0603_LED  [0603_SINGLE]  133.25 188 0 top
D11060  0603_LED  [0603_SINGLE]  135.25 188 0 top
D11061  0603_LED  [0603_SINGLE]  137.25 188 0 top
D11062  0603_LED  [0603_SINGLE]  139.25 188 0 top
D11063  0603_LED  [0603_SINGLE]  141.25 188 0 top
D11064  0603_LED  [0603_SINGLE]  143.25 188 0 top
D11065  0603_LED  [0603_SINGLE]  145.25 188 0 top
D11066  0603_LED  [0603_SINGLE]  147.25 188 0 top
D11067  0603_LED  [0603_SINGLE]  149.25 188 0 top
D11068  0603_LED  [0603_SINGLE]  151.25 188 0 top
D11069  0603_LED  [0603_SINGLE]  153.25 188 0 top
D11070  0603_LED  [0603_SINGLE]  155.25 188 0 top
D11071  0603_LED  [0603_SINGLE]  97.25 186 0 top
D11072  0603_LED  [0603_SINGLE]  99.25 186 0 top
D11073  0603_LED  [0603_SINGLE]  101.25 186 0 top
D11074  0603_LED  [0603_SINGLE]  103.25 186 0 top
D11075  0603_LED  [0603_SINGLE]  105.25 186 0 top
D11076  0603_LED  [0603_SINGLE]  107.25 186 0 top
D11077  0603_LED  [0603_SINGLE]  109.25 186 0 top
D11078  0603_LED  [0603_SINGLE]  111.25 186 0 top
D11079  0603_LED  [0603_SINGLE]  113.25 186 0 top
D11080  0603_LED  [0603_SINGLE]  115.25 186 0 top
D11081  0603_LED  [0603_SINGLE]  117.25 186 0 top
D11082  0603_LED  [0603_SINGLE]  119.25 186 0 top
D11083  0603_LED  [0603_SINGLE]  121.25 186 0 top
D11084  0603_LED  [0603_SINGLE]  123.25 186 0 top
D11085  0603_LED  [0603_SINGLE]  125.25 186 0 top
D11086  0603_LED  [0603_SINGLE]  127.25 186 0 top
D11087  0603_LED  [0603_SINGLE]  129.25 186 0 top
D11088  0603_LED  [0603_SINGLE]  131.25 186 0 top
D11089  0603_LED  [0603_SINGLE]  133.25 186 0 top
D11090  0603_LED  [0603_SINGLE]  135.25 186 0 top
D11091  0603_LED  [0603_SINGLE]  137.25 186 0 top
D11092  0603_LED  [0603_SINGLE]  139.25 186 0 top
D11093  0603_LED  [0603_SINGLE]  141.25 186 0 top
D11094  0603_LED  [0603_SINGLE]  143.25 186 0 top
D11095  0603_LED  [0603_SINGLE]  145.25 186 0 top
D11096  0603_LED  [0603_SINGLE]  147.25 186 0 top
D11097  0603_LED  [0603_SINGLE]  149.25 186 0 top
D11098  0603_LED  [0603_SINGLE]  151.25 186 0 top
D11099  0603_LED  [0603_SINGLE]  153.25 186 0 top
D11100  0603_LED  [0603_SINGLE]  155.25 186 0 top
D11101  0603_LED  [0603_SINGLE]  97.25 184 0 top
D11102  0603_LED  [0603_SINGLE]  99.25 184 0 top
D11103  0603_LED  [0603_SINGLE]  101.25 184 0 top
D11104  0603_LED  [0603_SINGLE]  103.25 184 0 top
D11105  0603_LED  [0603_SINGLE]  105.25 184 0 top
D11106  0603_LED  [0603_SINGLE]  107.25 184 0 top
D11107  0603_LED  [0603_SINGLE]  109.25 184 0 top
D11108  0603_LED  [0603_SINGLE]  111.25 184 0 top
D11109  0603_LED  [0603_SINGLE]  113.25 184 0 top
D11110  0603_LED  [0603_SINGLE]  115.25 184 0 top
D11111  0603_LED  [0603_SINGLE]  117.25 184 0 top
D11112  0603_LED  [0603_SINGLE]  119.25 184 0 top
D11113  0603_LED  [0603_SINGLE]  121.25 184 0 top
D11114  0603_LED  [0603_SINGLE]  123.25 184 0 top
D11115  0603_LED  [0603_SINGLE]  125.25 184 0 top
D11116  0603_LED  [0603_SINGLE]  127.25 184 0 top
D11117  0603_LED  [0603_SINGLE]  129.25 184 0 top
D11118  0603_LED  [0603_SINGLE]  131.25 184 0 top
D11119  0603_LED  [0603_SINGLE]  133.25 184 0 top
D11120  0603_LED  [0603_SINGLE]  135.25 184 0 top
D11121  0603_LED  [0603_SINGLE]  137.25 184 0 top
D11122  0603_LED  [0603_SINGLE]  139.25 184 0 top
D11123  0603_LED  [0603_SINGLE]  141.25 184 0 top
D11124  0603_LED  [0603_SINGLE]  143.25 184 0 top
D11125  0603_LED  [0603_SINGLE]  145.25 184 0 top
D11126  0603_LED  [0603_SINGLE]  147.25 184 0 top
D11127  0603_LED  [0603_SINGLE]  149.25 184 0 top
D11128  0603_LED  [0603_SINGLE]  151.25 184 0 top
D11129  0603_LED  [0603_SINGLE]  153.25 184 0 top
D11130  0603_LED  [0603_SINGLE]  155.25 184 0 top
D11131  0603_LED  [0603_SINGLE]  97.25 182 0 top
D11132  0603_LED  [0603_SINGLE]  99.25 182 0 top
D11133  0603_LED  [0603_SINGLE]  101.25 182 0 top
D11134  0603_LED  [0603_SINGLE]  103.25 182 0 top
D11135  0603_LED  [0603_SINGLE]  105.25 182 0 top
D11136  0603_LED  [0603_SINGLE]  107.25 182 0 top
D11137  0603_LED  [0603_SINGLE]  109.25 182 0 top
D11138  0603_LED  [0603_SINGLE]  111.25 182 0 top
D11139  0603_LED  [0603_SINGLE]  113.25 182 0 top
D11140  0603_LED  [0603_SINGLE]  115.25 182 0 top
D11141  0603_LED  [0603_SINGLE]  117.25 182 0 top
D11142  0603_LED  [0603_SINGLE]  119.25 182 0 top
D11143  0603_LED  [0603_SINGLE]  121.25 182 0 top
D11144  0603_LED  [0603_SINGLE]  123.25 182 0 top
D11145  0603_LED  [0603_SINGLE]  125.25 182 0 top
D11146  0603_LED  [0603_SINGLE]  127.25 182 0 top
D11147  0603_LED  [0603_SINGLE]  129.25 182 0 top
D11148  0603_LED  [0603_SINGLE]  131.25 182 0 top
D11149  0603_LED  [0603_SINGLE]  133.25 182 0 top
D11150  0603_LED  [0603_SINGLE]  135.25 182 0 top
D11151  0603_LED  [0603_SINGLE]  137.25 182 0 top
D11152  0603_LED  [0603_SINGLE]  139.25 182 0 top
D11153  0603_LED  [0603_SINGLE]  141.25 182 0 top
D11154  0603_LED  [0603_SINGLE]  143.25 182 0 top
D11155  0603_LED  [0603_SINGLE]  145.25 182 0 top
D11156  0603_LED  [0603_SINGLE]  147.25 182 0 top
D11157  0603_LED  [0603_SINGLE]  149.25 182 0 top
D11158  0603_LED  [0603_SINGLE]  151.25 182 0 top
D11159  0603_LED  [0603_SINGLE]  153.25 182 0 top
D11160  0603_LED  [0603_SINGLE]  155.25 182 0 top
D11161  0603_LED  [0603_SINGLE]  97.25 180 0 top
D11162  0603_LED  [0603_SINGLE]  99.25 180 0 top
D11163  0603_LED  [0603_SINGLE]  101.25 180 0 top
D11164  0603_LED  [0603_SINGLE]  103.25 180 0 top
D11165  0603_LED  [0603_SINGLE]  105.25 180 0 top
D11166  0603_LED  [0603_SINGLE]  107.25 180 0 top
D11167  0603_LED  [0603_SINGLE]  109.25 180 0 top
D11168  0603_LED  [0603_SINGLE]  111.25 180 0 top
D11169  0603_LED  [0603_SINGLE]  113.25 180 0 top
D11170  0603_LED  [0603_SINGLE]  115.25 180 0 top
D11171  0603_LED  [0603_SINGLE]  117.25 180 0 top
D11172  0603_LED  [0603_SINGLE]  119.25 180 0 top
D11173  0603_LED  [0603_SINGLE]  121.25 180 0 top
D11174  0603_LED  [0603_SINGLE]  123.25 180 0 top
D11175  0603_LED  [0603_SINGLE]  125.25 180 0 top
D11176  0603_LED  [0603_SINGLE]  127.25 180 0 top
D11177  0603_LED  [0603_SINGLE]  129.25 180 0 top
D11178  0603_LED  [0603_SINGLE]  131.25 180 0 top
D11179  0603_LED  [0603_SINGLE]  133.25 180 0 top
D11180  0603_LED  [0603_SINGLE]  135.25 180 0 top
D11181  0603_LED  [0603_SINGLE]  137.25 180 0 top
D11182  0603_LED  [0603_SINGLE]  139.25 180 0 top
D11183  0603_LED  [0603_SINGLE]  141.25 180 0 top
D11184  0603_LED  [0603_SINGLE]  143.25 180 0 top
D11185  0603_LED  [0603_SINGLE]  145.25 180 0 top
D11186  0603_LED  [0603_SINGLE]  147.25 180 0 top
D11187  0603_LED  [0603_SINGLE]  149.25 180 0 top
D11188  0603_LED  [0603_SINGLE]  151.25 180 0 top
D11189  0603_LED  [0603_SINGLE]  153.25 180 0 top
D11190  0603_LED  [0603_SINGLE]  155.25 180 0 top
D11191  0603_LED  [0603_SINGLE]  97.25 178 0 top
D11192  0603_LED  [0603_SINGLE]  99.25 178 0 top
D11193  0603_LED  [0603_SINGLE]  101.25 178 0 top
D11194  0603_LED  [0603_SINGLE]  103.25 178 0 top
D11195  0603_LED  [0603_SINGLE]  105.25 178 0 top
D11196  0603_LED  [0603_SINGLE]  107.25 178 0 top
D11197  0603_LED  [0603_SINGLE]  109.25 178 0 top
D11198  0603_LED  [0603_SINGLE]  111.25 178 0 top
D11199  0603_LED  [0603_SINGLE]  113.25 178 0 top
D11200  0603_LED  [0603_SINGLE]  115.25 178 0 top
D11201  0603_LED  [0603_SINGLE]  117.25 178 0 top
D11202  0603_LED  [0603_SINGLE]  119.25 178 0 top
D11203  0603_LED  [0603_SINGLE]  121.25 178 0 top
D11204  0603_LED  [0603_SINGLE]  123.25 178 0 top
D11205  0603_LED  [0603_SINGLE]  125.25 178 0 top
D11206  0603_LED  [0603_SINGLE]  127.25 178 0 top
D11207  0603_LED  [0603_SINGLE]  129.25 178 0 top
D11208  0603_LED  [0603_SINGLE]  131.25 178 0 top
D11209  0603_LED  [0603_SINGLE]  133.25 178 0 top
D11210  0603_LED  [0603_SINGLE]  135.25 178 0 top
D11211  0603_LED  [0603_SINGLE]  137.25 178 0 top
D11212  0603_LED  [0603_SINGLE]  139.25 178 0 top
D11213  0603_LED  [0603_SINGLE]  141.25 178 0 top
D11214  0603_LED  [0603_SINGLE]  143.25 178 0 top
D11215  0603_LED  [0603_SINGLE]  145.25 178 0 top
D11216  0603_LED  [0603_SINGLE]  147.25 178 0 top
D11217  0603_LED  [0603_SINGLE]  149.25 178 0 top
D11218  0603_LED  [0603_SINGLE]  151.25 178 0 top
D11219  0603_LED  [0603_SINGLE]  153.25 178 0 top
D11220  0603_LED  [0603_SINGLE]  155.25 178 0 top
D11221  0603_LED  [0603_SINGLE]  97.25 176 0 top
D11222  0603_LED  [0603_SINGLE]  99.25 176 0 top
D11223  0603_LED  [0603_SINGLE]  101.25 176 0 top
D11224  0603_LED  [0603_SINGLE]  103.25 176 0 top
